# Allegro board SDHCalFEB.brd (continued)
## Copper pours and planes (outline as drawn; the poured copper is in the pictures) (continued)
GND on SIG2: 346.48,294.69 351.66,294.69 351.66,278.61 383.59,246.68 399.21,246.68 399.21,232.97 369.06,232.97 365.3,236.73 353.92,236.73 353.92,247.57 327.84,247.57 324.59,250.82 324.59,253.01 346.48,274.9
GND on SIG2: 352.4,139.17 363.17,139.17 369.27,145.26 399.21,145.26 399.21,164.41 363.4,164.41 352.4,153.42
GND on SIG2: 56.77,216.76 59.21,216.76 70.69,205.28 80.04,205.28 81.74,203.58 127.53,203.58 129.31,205.36 157.91,205.36 160.53,202.74 207.29,202.74 209.88,205.33 238.73,205.33 243,201.07 290.73,201.07 294.97,205.31 315.8,205.31 327.66,193.45 327.66,163.83 325.96,163.83 319.02,170.76 81.08,170.76 68.53,158.22 68.53,145.41 70,143.94 70,132.33 69.81,132.14 56.77,145.19
GND on SIG2: 366.73,187.4 399.21,187.4 399.21,171.88 379.17,171.88 366.73,184.33
GND on SIG2: 80.31,311.38 80.31,313.87 83.59,317.14 328.78,317.14 340.46,305.46 340.46,303.91 331.62,303.91 327.18,308.36 327.18,308.69 324.49,311.38
GND on SIG2: 1.02,1.02 373.38,1.02 373.38,78.03 399.21,78.03 399.21,105.59 379.04,105.59 376.22,102.77 376.22,94.03 351.33,69.14 351.33,34.9 347.17,34.9 347.17,44.42 311.73,44.42 308.66,41.35 308.66,36.98 306.07,36.98 306.07,39.78 304.01,41.83 304.01,45.34 228.3,45.34 228.3,39.83 231.04,37.08 230.63,36.68 224.99,36.68 223.11,38.56 223.11,45.34 148.62,45.34 148.62,37.08 146.05,37.08 146.05,39.65 143.89,41.81 143.89,42.55 141.07,45.36 64.31,45.36 69.16,40.51 69.98,40.51 69.98,40.01 67.16,37.19 62.94,41.4 62.94,51.82 63.27,52.15 43.28,72.14 42.24,72.14 42.24,337.59 63.96,359.31 76.89,359.31 76.89,361.75 73.81,364.82 95.63,364.82 99.36,361.09 149.94,361.09 151.89,363.04 163.55,351.38 328.75,351.38 361.26,318.87 361.26,292.86 389.41,264.72 399.21,264.72 399.21,296.37 373.38,296.37 373.38,373.38 1.02,373.38
GND on SIG2: 350.19,74.55 350.67,74.55 374.6,98.48 374.6,111.89 379.96,117.25 399.21,117.25 399.21,140.84 371.3,140.84 359,128.55 359.21,128.35 359.21,105.66 358.42,104.88 348.56,104.88 348.56,74.52 350.16,74.52
GND on SIG2: 81.99,341.68 124.46,341.68 129.39,336.75 136.42,336.75 139.34,339.67 149.5,339.67 152.07,337.11 319.48,337.11 331.5,325.09 77.65,325.09 70.76,318.21 67.06,318.21 67.06,326.75
GND on SIG3: 28.98,164.49 39.07,154.41 61.87,154.41 88.98,181.51 313.69,181.51 332.44,200.25 332.44,204.29 319.35,204.29 319.35,202.23 313.97,196.85 220.75,196.85 216.53,192.63 182.47,192.63 178.26,196.85 140.21,196.85 136.88,193.52 101.93,193.52 98.6,196.85 59.46,196.85 55.78,193.17 33.53,193.17 28.98,188.62
GND on SIG3: 308.36,315.52 308.36,313.44 319.51,313.44 320.8,314.73 325.7,314.73 326.01,314.43 326.01,310.57 335.08,310.57 346.91,298.73 346.91,207.29 350.6,203.61 353.47,203.61 357.23,207.37 357.23,208.97 355.75,210.44 355.75,213.21 356.54,214 356.54,254.36 364.64,254.36 364.64,257.51 353.21,268.94 353.21,323.19 351.05,325.35 318.19,325.35
GND on SIG3: 307.57,232.74 307.57,234.7 315.42,242.54 335.08,242.54 335.08,228.37 323.88,228.37 322.15,230.1 322.15,232.03 323.37,233.25 325.02,233.25 325.02,234.67 322.38,234.67 320.45,232.74
GND on SIG3: 227.66,73.28 239.37,73.28 240.97,74.88 243.71,74.88 244.53,74.07 244.53,71.35 287.65,71.35 289.56,73.25 289.56,74.68 285.67,78.56 258.72,78.56 258.67,78.51 258.67,79.71 259.16,80.19 286.51,80.19 294.03,72.67 301.73,72.67 310.82,81.76 314.38,81.76 315.39,82.78 315.39,83.87 236.73,83.87 227.66,74.8
GND on SIG3: 228.55,233.48 249.2,233.48 249.2,228.5 253.01,228.5 255.98,231.47 255.98,236.91 257.12,236.91 257.12,232.94 257.94,232.13 290.93,232.13 290.93,233.38 285.5,238.81 258.6,238.81 258.6,239.93 259.21,240.54 285.93,240.54 293.65,232.82 302.62,232.82 313.11,243.31 236.17,243.31 228.55,235.69
GND on SIG3: 307.77,153.39 327.66,153.39 327.66,165.35 335.03,172.72 335.03,194.44 307.77,167.18
GND on SIG3: 68.15,153.8 94.26,153.8 94.26,157.4 95.78,157.4 95.78,152.48 129.06,152.48 129.06,153.06 123.77,158.34 99.06,158.34 98.27,159.13 98.27,160.12 125.45,160.12 133.02,152.55 140.11,152.55 166.67,179.12 92.71,179.12 68.15,154.56
GND on SIG3: 149.3,314.22 164.85,314.22 164.85,308.86 167.31,308.86 168.78,310.34 174.75,310.34 175.95,311.53 175.95,313.46 176.94,312.47 176.94,310.92 178.21,310.92 180.49,313.21 209.47,313.21 210.06,312.62 210.06,313.92 204.37,319.61 178.16,319.61 177.93,319.84 177.93,320.6 205.33,320.6 212.8,313.13 222.68,313.13 234.8,325.25 158.27,325.25 149.3,316.28
GND on SIG3: 68.3,73.66 80.24,73.66 81.76,75.18 95.71,75.18 98.48,72.42 130.12,72.42 130.12,73.3 125.43,78 98.83,78 98.53,78.31 98.53,80.72 126.11,80.72 133.53,73.3 142.72,73.3 157.63,88.21 317.27,88.21 320.57,91.52 320.57,92.81 86.36,92.81 68.28,74.73 68.28,73.69
GND on SIG3: 40.69,234.29 62.66,234.29 75.51,247.14 335.05,247.14 335.05,274.93 344.55,274.93 344.55,297.87 335.51,306.91 333.04,306.91 330.2,304.06 330.2,287.07 325.78,282.65 320.7,282.65 315.29,277.24 279.45,277.24 274.52,272.31 267,272.31 259.99,279.32 243.94,279.32 242.67,278.05 238.2,278.05 235.36,280.9 223.88,280.9 216.71,273.74 194.61,273.74 191.64,276.71 182.75,276.71 175.97,283.49 162.53,283.49 158.62,279.58 136.86,279.58 130.58,273.3 130.58,272.36 107.31,272.36 101.8,277.88 101.8,280.19 67.94,280.19 67.94,277.62 66.37,277.62 66.37,280.95 63.8,280.95 57.58,274.73 27.41,274.73 27.41,247.57
GND on SIG3: 228.78,153.59 242.85,153.59 243.66,152.78 243.66,151.82 253.85,151.82 253.85,155.7 255.68,155.7 255.68,152.22 291.54,152.22 291.8,152.48 285.93,158.34 259.03,158.34 259.03,160.02 286.13,160.02 292.68,153.47 305.49,153.47 305.49,169.29 311.96,175.77 248.67,175.77 228.78,155.88
GND on SIG3: outline of 85 points within 1.02,1.02 399.21,373.38
GND on SIG3: 67.94,312.75 80.98,312.75 81.18,312.55 81.18,308.61 84.38,308.61 85.67,309.91 88.95,309.91 94.39,315.34 95.12,315.34 95.78,314.68 95.78,312.55 130.48,312.55 130.48,313 124.28,319.2 98.7,319.2 98.7,320.17 126.11,320.17 133.07,313.21 142.77,313.21 155.73,326.16 155.73,328.63 155.52,328.83 81.64,328.83 67.94,315.14
GND on SIG3: 47.78,325.07 47.78,323.06 56.57,314.27 63.93,314.27 81.31,331.65 139.83,331.65 139.83,339.88 86.94,339.88 81.92,334.85 57.56,334.85
GND on SIG3: 227.48,313.03 241.5,313.03 243,314.53 243.71,314.53 244.22,314.02 244.22,309.91 244.2,309.88 254.94,309.88 255.6,310.54 255.6,313.46 256.57,313.46 256.87,313.16 256.87,309.6 258.39,309.6 261.67,312.88 266.04,312.88 258.97,319.95 259.69,320.68 266.34,314.02 303.78,314.02 313.41,323.65 236.55,323.65 227.48,314.58
GND on SIG3: 67.97,233.78 83.16,233.78 83.82,233.12 83.82,231.83 88.52,231.83 88.52,230.35 96.16,230.35 96.16,236.88 97.41,236.88 97.41,230.43 97.43,230.45 97.99,230.45 101.42,233.88 129.74,233.88 124.51,239.12 98.78,239.12 98.78,240.33 126.26,240.33 133.07,233.53 143.26,233.53 154.31,244.58 154.31,244.91 77.75,244.91 67.97,235.13
GND on SIG3: 147.83,73.25 160.73,73.25 162.31,74.83 163.93,74.83 163.93,72.54 209.88,72.54 209.88,73.63 205.33,78.18 177.98,78.18 177.98,80.7 206.12,80.7 213.39,73.43 222.83,73.43 235.1,85.7 158.57,85.7 147.83,74.96
GND on SIG3: 389.89,254.91 367.64,254.91 360.53,247.8 360.53,201.5 347.78,201.5 347.78,189.71 342.04,183.97 342.04,164.87 360.3,164.87 386.46,191.03 399.21,191.03 399.21,252.4 391.13,252.4 379.5,240.77 379.5,218.47 376.28,218.47 376.28,241.3
GND on SIG3: 153.11,153.95 174.17,153.95 174.17,154.43 176.15,154.43 176.15,152.1 209.98,152.1 209.98,152.81 203.91,158.88 178.82,158.88 178.82,160.4 204.37,160.4 212.12,152.65 221.62,152.65 246,177.04 172.03,177.04 153.11,158.12
GND on SIG3: 63.45,75.13 84.15,95.83 322.22,95.83 341.55,115.16 341.55,124.13 312.14,124.13 308.71,120.7 308.71,114.96 306.45,112.7 26.77,112.7 26.77,75.13
GND on SIG3: 294.51,351.21 323.88,351.21 343.94,331.14 314.58,331.14
GND on SIG3: 147.14,233.86 163.88,233.86 163.88,231.83 170.87,231.83 175.49,236.45 175.49,237.39 177.11,237.39 177.11,232.61 180.64,232.61 182.12,234.09 182.12,232.16 210.59,232.16 210.59,233.04 204.67,238.96 178.56,238.96 178.56,240.23 178.89,240.56 205.84,240.56 213.54,232.87 222.91,232.87 233.93,243.89 156.74,243.89 147.14,234.29
VCC3.3VA on TOP: 174.32,269.09 174.32,265.33 180.49,265.33 180.49,269.09
VCC3.3VA on TOP: 277.99,116.95 281.04,113.91 284.11,116.98 282.27,118.82 279.86,118.82
VCC3.3VA on TOP: 196.52,260.43 196.52,255.32 200.61,255.32 200.61,260.43
VCC3.3VA on TOP: 110.92,167.89 110.92,163.14 115.47,163.14 115.47,167.89
VCC3.3VA on TOP: 197.64,117.2 201.03,113.8 204.23,117.01 202.49,118.75 199.19,118.75
VCC3.3VA on TOP: 31.37,100.53 31.37,95.43 36.35,95.43 36.35,100.53
VCC3.3VA on TOP: 345.31,108.08 349.01,104.38 352.92,108.29 349.22,111.99
VCC3.3VA on TOP: 347.55,351.69 347.55,345.49 351.54,345.49 351.54,351.69
VCC3.3VA on TOP: 358.37,243.1 358.37,237.31 362.23,237.31 362.23,243.1
VCC3.3VA on TOP: 254.33,189.18 254.33,185.42 260.83,185.42 260.83,189.18
VCC3.3VA on TOP: 115.06,99.54 115.06,94.56 119.76,94.56 119.76,99.54
VCC3.3VA on TOP: 271.7,327.63 271.7,323.14 275.56,323.14 275.56,327.63
VCC3.3VA on TOP: 205.38,351.49 205.38,346.51 211,346.51 211,351.49
VCC3.3VA on TOP: 105.28,35.76 105.28,28.83 110.46,28.83 110.46,35.76
VCC3.3VA on TOP: 358.67,215.16 358.67,209.37 363.12,209.37 363.12,215.16
VCC3.3VA on TOP: 28.8,45.42 28.8,40.94 35.1,40.94 35.1,45.42
VCC3.3VA on TOP: 115.7,259.28 115.7,254.58 120.27,254.58 120.27,259.28
VCC3.3VA on TOP: 173.84,189.41 173.84,185.19 180.34,185.19 180.34,189.41
VCC3.3VA on TOP: 112.37,327.61 112.37,323.14 116.03,323.14 116.03,327.61
VCC3.3VA on TOP: 175.29,100.71 175.29,95.73 180.21,95.73 180.21,100.71
VCC3.3VA on TOP: 117.73,117.2 120.97,113.96 124.17,117.16 122.58,118.75 119.28,118.75
VCC3.3VA on TOP: 30.86,83.44 30.86,78.33 35.84,78.33 35.84,83.44
VCC3.3VA on TOP: 93.93,188.93 93.93,185.17 100.43,185.17 100.43,188.93
VCC3.3VA on TOP: 254.63,268.81 254.63,265.05 260.81,265.05 260.81,268.81
VCC3.3VA on TOP: 94.18,269.11 94.18,265.35 100.43,265.35 100.43,269.11
VCC3.3VA on TOP: 191.31,327.51 191.31,323.14 196.22,323.14 196.22,324.97 193.68,327.51
VCC3.3VA on TOP: 33.99,166.45 33.99,162.05 40.18,162.05 40.18,166.45
VCC3.3VA on TOP: 190.88,167.59 190.88,163.25 195.83,163.25 195.83,167.59
VCC3.3VA on TOP: 232.82,352.25 232.82,346.91 237.06,346.91 237.06,352.25
VCC3.3VA on TOP: 185.04,352.48 185.04,347.24 191.06,347.24 191.06,352.48
VCC3.3VA on TOP: 31.17,186.72 31.17,181.2 36.25,181.2 36.25,186.72
VCC3.3VA on TOP: 255.07,100.89 255.07,95.61 260.6,95.61 260.6,100.89
VCC3.3VA on TOP: 36.25,331.62 36.25,326.69 42.32,326.69 42.32,331.62
VCC3.3VA on TOP: 32.59,271.02 32.59,265.66 37.11,265.66 37.11,271.02
VCC3.3VA on TOP: 265.1,35.76 265.1,28.83 270.94,28.83 270.94,35.76
VCC3.3VA on TOP: 219.3,353.31 219.3,348.41 223.67,348.41 223.67,353.31
VCC3.3VA on TOP: 265.73,259.59 265.73,254.99 270.46,254.99 270.46,259.59
VCC3.3VA on TOP: 62.23,256.21 62.23,252.04 67.82,252.04 67.82,256.21
VCC3.3VA on TOP: 184.71,36.35 184.71,29.41 190.55,29.41 190.55,36.35
VCC3.3VA on TOP: 270.84,168.12 270.84,163.19 275.49,163.19 275.49,168.12
VCC3.3VA on TOP: 368.1,97.87 368.1,99.24 359.16,99.24 359.16,106.3 365.81,106.3 365.81,104.24 373.79,104.24 373.79,97.87
VCC3.3VA on TOP: 270.48,352.32 270.48,347.9 277.32,347.9 277.32,352.32
VCC3.3VA on POWER2: 1.52,1.52 1.52,372.87 372.87,372.87 372.87,1.52
VCC3.3VD on TOP: 353.75,137.77 353.75,134.77 355.98,134.77 355.98,136.27 360.3,136.27 360.3,140.44 356.51,140.44 356.51,137.77
VCC3.3VD on TOP: 315.54,127.05 315.54,125.07 320.55,125.07 320.55,127.05
VCC3.3VD on TOP: 312.37,123.37 312.37,121.77 313.79,121.77 313.79,119.58 317.65,119.58 317.65,123.37
VCC3.3VD on TOP: 153.47,150.16 156.24,150.16 156.24,157.94 151.51,157.94 151.51,155.55 153.47,153.59
VCC3.3VD on TOP: 155.88,286.77 155.88,285.65 157.51,285.65 157.51,284.66 160.32,284.66 160.32,286.77
VCC3.3VD on TOP: 234.77,46.63 234.77,44.53 239.5,44.53 239.5,46.63
VCC3.3VD on TOP: 152.3,283.67 152.3,281.41 154.41,281.41 154.41,280.04 157.76,280.04 157.76,283.67
VCC3.3VD on TOP: 155.22,356.67 155.22,348.23 159.74,348.23 159.74,356.67
VCC3.3VD on TOP: 231.39,123.65 231.39,121.44 233.5,121.44 233.5,119.86 236.68,119.86 236.68,123.65
VCC3.3VD on TOP: 235.92,206.65 235.92,205.38 239.93,205.38 239.93,206.65
VCC3.3VD on TOP: 233.53,150.04 236.3,150.04 236.3,157.81 230.89,157.81 230.89,156.18 233.53,153.54
VCC3.3VD on TOP: 231.37,44.15 231.37,42.14 234.14,42.14 234.14,39.73 238.58,39.73 238.58,44.15
VCC3.3VD on TOP: 314.5,49.25 314.5,45.62 323.27,45.62 323.27,49.25
VCC3.3VD on TOP: 151.41,43.99 151.41,42.14 154,42.14 154,39.5 157.43,39.5 157.43,43.99
VCC3.3VD on TOP: 350.24,181.89 350.24,175.92 360.83,175.92 360.83,181.89
VCC3.3VD on TOP: 71.27,124.33 71.27,121.44 74.19,121.44 74.19,120.24 77.57,120.24 77.57,124.33
VCC3.3VD on TOP: 153.34,230.38 156.72,230.38 156.72,237.52 150.8,237.52 150.8,236.27 153.34,233.73
VCC3.3VD on TOP: 313.23,150.32 316,150.32 316,157.58 311.3,157.58 311.3,155.78 313.23,153.85
VCC3.3VD on TOP: 310.92,44.42 310.92,41.61 313.97,41.61 313.97,38.96 317.3,38.96 317.3,44.42
VCC3.3VD on TOP: 81.1,29.79 81.1,24.77 88.98,24.77 88.98,29.79
VCC3.3VD on TOP: 313.66,309.83 316.64,309.83 316.64,317.55 311.73,317.55 311.73,314.32 313.66,312.39
VCC3.3VD on TOP: 72.39,204.47 72.39,201.85 73.79,201.85 73.79,200.56 77.7,200.56 77.7,204.47
VCC3.3VD on TOP: 71.22,44.09 71.22,41.15 74.27,41.15 74.27,39.55 77.7,39.55 77.7,44.09
VCC3.3VD on TOP: 162.05,31.88 162.05,26.85 169.93,26.85 169.93,31.88
VCC3.3VD on TOP: 72.69,70.28 75.59,70.28 75.59,77.98 70.97,77.98 70.97,76.12 72.69,74.4
VCC3.3VD on TOP: 151.31,123.95 151.31,121.54 153.92,121.54 153.92,120.29 157.58,120.29 157.58,123.95
VCC3.3VD on TOP: 73.05,230.15 76.43,230.15 76.43,237.29 70.51,237.29 70.51,236.55 73.05,234.01
VCC3.3VD on TOP: 152.45,70.31 155.45,70.31 155.45,77.75 151.13,77.75 151.13,76 152.45,74.68
VCC3.3VD on TOP: 153.57,310.29 156.18,310.29 156.18,317.8 152.35,317.8 152.35,313.66 153.57,312.45
VCC3.3VD on TOP: 232.82,70.36 235.59,70.36 235.59,77.77 230.89,77.77 230.89,76.17 232.82,74.24
VCC3.3VD on TOP: 353.67,128.65 353.67,125.65 356.11,125.65 356.11,127.53 358.95,127.53 360.92,129.5 357.47,132.96 356.29,131.78 356.29,128.7 356.31,128.68 356.29,128.65
VCC3.3VD on TOP: 155.24,47.07 155.24,44.6 160.55,44.6 160.55,47.07
VCC3.3VD on TOP: 236.52,286.97 236.52,284.73 239.83,284.73 239.83,286.97
VCC3.3VD on TOP: 73.13,150.14 76.58,150.14 76.58,157.91 71.02,157.91 71.02,156.03 73.13,153.92
VCC3.3VD on TOP: 176.38,355.98 176.38,351.08 180.24,351.08 180.24,355.98
VCC3.3VD on TOP: 152.35,204.24 152.35,202.26 153.77,202.26 153.77,199.85 157.51,199.85 157.51,204.24
VCC3.3VD on TOP: 316.2,287.27 316.2,284.99 320.32,284.99 320.32,287.27
VCC3.3VD on TOP: 364.36,188.37 364.36,183.34 368.63,183.34 368.63,188.37
VCC3.3VD on TOP: 232.71,230.25 236.27,230.25 236.27,238.07 231.57,238.07 231.57,235.51 232.71,234.37
VCC3.3VD on TOP: 353.06,194.23 353.06,190.32 360.68,190.32 360.68,194.23
VCC3.3VD on TOP: 75.13,126.7 75.13,124.99 79.91,124.99 79.91,126.7
VCC3.3VD on TOP: 350.24,170.76 350.24,164.31 360.35,164.31 360.35,170.76
VCC3.3VD on TOP: 350.01,158.52 350.01,152.55 358.83,152.55 358.83,158.52
VCC3.3VD on TOP: 72.26,283.36 72.26,282.17 74.3,282.17 74.3,279.73 75.95,279.73 75.95,283.36
VCC3.3VD on TOP: 55.96,355.45 55.96,351.05 67.16,351.05 67.16,355.45
VCC3.3VD on TOP: 345.72,267.11 348.63,264.2 352.31,267.88 349.4,270.79
VCC3.3VD on TOP: 312.47,283.21 312.47,282.17 314.58,282.17 314.58,279.58 317.93,279.58 317.93,283.21
VCC3.3VD on TOP: 232.41,204.09 232.41,202.11 233.83,202.11 233.83,199.69 237.57,199.69 237.57,204.09
VCC3.3VD on TOP: 313.23,70.18 316,70.18 316,78.18 311.3,78.18 311.3,75.79 313.23,73.86
VCC3.3VD on TOP: 312.5,204.42 312.5,202.21 314.6,202.21 314.6,200.63 317.78,200.63 317.78,204.42
VCC3.3VD on TOP: 313.41,230.58 316.18,230.58 316.18,237.85 311.48,237.85 311.48,235.79 313.41,233.86
VCC3.3VD on TOP: 73.86,46.66 73.86,44.68 79.98,44.68 79.98,46.66
VCC3.3VD on TOP: 73.81,310.29 76.43,310.29 76.43,317.8 72.59,317.8 72.59,313.66 73.81,312.45
VCC3.3VD on TOP: 350.44,147.5 350.44,141.53 356.59,141.53 356.59,144.25 360.55,144.25 360.55,147.5
VCC3.3VD on TOP: 231.42,283.67 231.42,282.17 233.88,282.17 233.88,279.88 238.43,279.88 238.43,283.67
VCC3.3VD on TOP: 94.06,286.69 94.06,282.8 98.7,282.8 98.7,286.69
VCC3.3VD on TOP: 353.21,202.46 353.21,198.88 360.83,198.88 360.83,202.46
VCC3.3VD on TOP: 242.67,30.71 242.67,26.39 248.39,26.39 248.39,30.71
VCC3.3VD on TOP: 75.84,206.78 75.84,205.16 80.11,205.16 80.11,206.78
VCC3.3VD on TOP: 318.11,28.07 318.11,23.75 323.82,23.75 323.82,28.07
VCC3.3VD on TOP: 155.47,126.92 155.47,124.69 160.22,124.69 160.22,126.92
VCC3.3VD on TOP: 235.23,126.52 235.23,124.66 240.23,124.66 240.23,126.52
VCC3.3VD on TOP: 363.32,296.67 363.32,284.15 371.17,284.15 371.17,293.17 368.17,293.17 368.17,296.67
VCC3.3VD on TOP: 233.96,310.11 236.19,310.11 236.19,317.37 231.67,317.37 231.67,314.73 233.96,312.45
VCC3.3VD on TOP: 95.07,339.88 95.07,333.88 99.77,333.88 99.77,339.88
VCC3.3VD on TOP: 75.87,286.77 75.87,284.48 79.68,284.48 79.68,286.77
VCC3.3VD on TOP: 316.2,207.01 316.2,205.41 320.32,205.41 320.32,207.01
VCC3.3VD on TOP: 155.55,207.26 155.55,205.61 158.62,205.61 158.62,207.26
VCC3.3VD on POWER1: 1.52,1.52 1.52,372.87 372.87,372.87 372.87,295.86 398.73,295.86 398.73,78.51 372.87,78.51 372.87,1.52
VCC5.0V on TOP: 380.21,106.5 386.74,106.5 386.74,103.25 381.18,103.25 380.21,104.22
VCC5.0V on TOP: 381.84,290.19 381.84,285.65 385.57,285.65 385.57,290.19
VCC5.0V on BOTTOM: 375.41,115.95 375.41,112.47 398.73,112.47 398.73,115.95
VCC5.0V on POWER2: 375.41,295.86 375.41,78.51 398.73,78.51 398.73,295.86
VCC5.0V_BOARD_IN on BOTTOM: 375.41,111.76 375.41,93.47 398.73,93.47 398.73,111.76
VCC5.0V_CON_IN on BOTTOM: 375.41,264.67 398.73,264.67 398.73,116.61 375.41,116.61
VREF1.25V on TOP: 263.73,352.7 263.73,348.23 263.75,348.21 265.4,348.21 265.4,345.34 267.26,345.34 267.26,352.7
N224768 on TOP: 369.16,108.58 369.16,105.05 373.81,105.05 373.81,101.12 381.18,101.12 381.18,106.96 381.15,106.93 373.94,106.93 373.94,108.58
N16754290 on TOP: 371.96,291.8 371.96,284.1 376.86,284.1 376.86,287.17 378.21,287.17 378.21,286.21 381.15,286.21 381.15,290.55 375.23,290.55 375.23,291.8

## Text on the board
Ref Des/Silkscreen Top: GS_AF28 | Sh_B4 | GEM Signal D28 | Sh_D4 | Sh_C4 | GND | Out_Sh A4 | :a | :b | a | b | d | SR | :c | :d | SRD | RD | SMA | DAC | c | CTest | Cali | CTest A4 | Sig | CT_C4 | CT_B4 | JS_J26 | GS_S27 | CE_C4 | CE_D4 | GS_AF20 | CT_D4 | Sh_D3 | CE_B4 | GEM Signal A23 | Sh_B3 | Sh_C3 | Out_Sh A3 | CT_B3 | CT_C3 | GS_S19 | CTest A3 | Cali_Ext A3 | GEM Signal A15 | GS_J18 | CE_D3 | GS_AF12 | CT_D3 | CE_B3 | CE_C3 | Sh_B2 | Sh_C2 | Sh_D2 | Out_sh A2 | CT_C2 | CT_B2 | GS_S11 | CTest A2 | CT_D2 | Cali_Ext A2 | CE_D2 | CE_B2 | CE_C2 | GS_J10 | GS_AF4 | Sh_C1 | Sh_D1 | GEM Signal B4 | Out_sh_A1 | Signal | CT_D1 | Cali_Ext B1 | CTest A1 | GC_S3 | CT_B1 | CT_C1 | CE_C1 | CE_D1 | Out_sh_B1 | GEM Signal J2 | 1M ohm resistance | SC0603 capacitance | SR0603 resistance | Cali_Ext A1 | Power On | Trig_Ext | SR_CK | SR_RSTB | Start_Acq | 3.3VA | 3.3VD | +5V
DIMENSION: Caution: All impedance of differential pairs should be controlled to be about 100 ohm | Impedance control should first meet impedance of diffenrential pairs | All impedance of single lines should be controlled to be about 50 ohm | Differential pairs(Art 05) | Differential pairs(Top) | Differential pairs(Art 04) | Differential pairs(Bottom)
User.13: FIGURE | SIZE | 12.0 | 24.0 | 63.0 | 70.0 | 125.98 | 126.0 | DRILL CHART: TOP to BOTTOM | ALL UNITS ARE IN MILS | PLATED | QTY | 2603 | 26 | 6 | 1 | 3 | 52 | 2
User.14: FIGURE | SIZE | 12.0 | DRILL CHART: GND1 to GND3 | ALL UNITS ARE IN MILS | PLATED | QTY | 6132
User.15: FIGURE | SIZE | 4.0 | DRILL CHART: TOP to GND1 | ALL UNITS ARE IN MILS | PLATED | QTY | 7297
User.16: FIGURE | SIZE | 4.0 | DRILL CHART: GND3 to BOTTOM | ALL UNITS ARE IN MILS | PLATED | QTY | 900
